# Allegro board 8880F5-0824_updates.brd (continued)
## Routing (per net, layer and track width the routed paths; a pad name or vN(x,y) marks a point on that pad's centre or on a via; arc(x,y) is an arc through that point) (continued)
D12513: length 413.5
  TOP w0.086: SITE1.172 237.68,237.63 237.6,237.71 235.46,237.71 234.38,236.63 225.85,236.63 v1(225.39,236.18)
  L03_SIGNAL w0.071: D125.13 44.61,95.09 44.61,92.75 47.01,90.35 51.92,90.35 56.06,94.5 56.06,112.18 39.76,128.48 39.76,198.4 82.4,241.03 166.18,241.03 168.94,243.78 171.11,243.78 171.9,244.58 176.12,244.58 176.91,243.78 178.03,243.78 v2(178.5,243.31)
  L28_SIGNAL w0.071: v2(178.5,243.31) 178.97,243.78 179.34,243.78 179.86,244.31 179.86,245.46 178.03,247.29 166.73,247.29 164.66,249.36 154.47,249.36 153.74,248.63 153.74,246.18 154.64,245.28 167.42,245.28 168.64,244.06 168.64,240.48 170.26,238.86 212.66,238.86 213.7,237.82 222.67,237.82 223.85,236.65 224.92,236.65 v1(225.39,236.18)
D12514: length 413.5
  TOP w0.086: SITE1.176 237.68,236.03 237.6,236.11 237.48,236.11 237.25,235.88 237.25,234.98 235.19,232.92 225.91,232.92 v1(225.46,232.46)
  L03_SIGNAL w0.071: v2(164.91,243.31) 165.38,243.78 165.88,243.78 166.22,244.13 166.22,245.17 164.96,246.44 82.98,246.44 34.51,197.96 34.51,124.94 47.63,111.82 47.63,100.97 D125.14
  L28_SIGNAL w0.071: v2(164.91,243.31) 165.38,243.78 165.72,243.78 166.34,243.16 166.34,242.1 165.85,241.61 134.1,241.61 132.74,240.26 132.74,237.11 134.34,235.51 210.85,235.51 212.23,236.89 222.31,236.89 222.79,236.41 222.79,234.45 224.31,232.94 224.98,232.94 v1(225.46,232.46)
D12515: length 413.5
  TOP w0.086: SITE1.171 237.68,238.03 237.6,237.95 235.37,237.95 234.29,236.87 225.85,236.87 v1(225.39,237.32)
  L03_SIGNAL w0.071: v2(178.5,244.46) 178.03,243.98 176.99,243.98 176.2,244.77 171.82,244.77 171.03,243.98 168.86,243.98 166.1,241.22 82.31,241.22 39.57,198.48 39.57,128.39 55.86,112.1 55.86,94.58 51.84,90.55 47.09,90.55 44.81,92.83 44.81,94.43 45.43,95.05 46.79,95.05 D125.15
  L28_SIGNAL w0.071: v2(178.5,244.46) 178.97,243.98 179.25,243.98 179.66,244.39 179.66,245.38 177.95,247.09 166.64,247.09 164.57,249.16 154.55,249.16 153.93,248.55 153.93,246.27 154.72,245.48 167.51,245.48 168.84,244.14 168.84,240.56 170.34,239.06 212.74,239.06 213.78,238.02 222.76,238.02 223.93,236.85 224.92,236.85 v1(225.39,237.32)
D12516: length 413.5
  TOP w0.086: SITE1.175 237.68,236.43 237.6,236.35 237.38,236.35 237.01,235.98 237.01,235.08 235.09,233.16 225.91,233.16 v1(225.46,233.61)
  L03_SIGNAL w0.071: D125.16 49.75,100.11 48.78,100.11 47.83,101.07 47.83,111.9 34.71,125.02 34.71,197.88 83.06,246.24 164.87,246.24 166.02,245.09 166.02,244.21 165.8,243.98 165.38,243.98 v2(164.91,244.46)
  L28_SIGNAL w0.071: v1(225.46,233.61) 224.98,233.14 224.39,233.14 222.99,234.53 222.99,236.49 222.4,237.09 212.15,237.09 210.77,235.71 134.42,235.71 132.94,237.19 132.94,240.18 134.18,241.42 165.94,241.42 166.54,242.02 166.54,243.24 165.8,243.98 165.38,243.98 v2(164.91,244.46)
D12609: length 457
  TOP w0.086: SITE1.16 248.23,231.48 248.15,231.4 248.15,223.18 249.68,221.65 249.68,217.05 v1(250.13,216.61)
  L03_SIGNAL w0.071: D126.09 34.96,74.26 34.96,70.54 36.99,68.51 58.22,68.51 72.03,82.33 72.03,190.22 87.2,205.39 87.2,219.77 87.91,220.47 129.39,220.47 130.42,221.5 175.86,221.5 180.1,225.74 180.1,229.52 180.65,230.07 181.2,230.07 v1(181.67,229.6)
  L28_SIGNAL w0.071: v1(250.13,216.61) 249.66,217.08 249.66,218.32 248.27,219.71 243.1,219.71 240.73,217.34 236.09,217.34 235.33,216.58 214.08,216.58 212.34,214.84 175.19,214.84 173.72,216.31 173.72,223.26 175.87,225.41 198.14,225.41 199.65,226.92 199.65,231.94 198.27,233.32 181.31,233.32 180.05,232.05 180.05,230.63 180.6,230.07 181.2,230.07 v1(181.67,229.6)
D12610: length 457
  TOP w0.086: SITE1.14 247.43,231.48 247.35,231.4 247.35,218.99 v1(247.8,218.55)
  L03_SIGNAL w0.071: v1(195.26,229.6) 195.73,230.07 196.45,230.07 196.82,230.44 196.82,232.1 194.9,234.02 85.65,234.02 49.74,198.11 49.74,128.87 61.25,117.36 61.25,94.47 54.12,87.35 39.26,87.35 37.28,85.37 37.28,80.46 D126.10
  L28_SIGNAL w0.071: v1(195.26,229.6) 195.73,230.07 196.1,230.07 196.73,229.44 196.73,228.04 195.17,226.48 166.95,226.48 165.41,224.94 165.41,214.73 167.32,212.82 212.57,212.82 214.68,214.93 235.45,214.93 236.83,216.3 242.46,216.3 243.55,217.39 245.62,217.39 246.01,217.01 246.85,217.01 247.33,217.48 247.33,218.07 v1(247.8,218.55)
D12611: length 457
  TOP w0.086: v1(248.99,216.61) 249.45,217.06 249.45,221.55 247.91,223.08 247.91,231.4 247.83,231.48 SITE1.15
  L03_SIGNAL w0.071: v1(181.67,230.74) 181.2,230.27 180.57,230.27 179.9,229.6 179.9,225.82 175.78,221.7 130.34,221.7 129.31,220.67 87.82,220.67 87.01,219.85 87.01,205.47 71.84,190.3 71.84,82.41 58.13,68.71 37.07,68.71 35.16,70.62 35.16,74.75 35.38,74.97 36.87,74.97 D126.11
  L28_SIGNAL w0.071: v1(248.99,216.61) 249.46,217.08 249.46,218.24 248.19,219.51 243.18,219.51 240.81,217.14 236.17,217.14 235.42,216.38 214.16,216.38 212.43,214.65 175.11,214.65 173.52,216.23 173.52,223.34 175.79,225.61 198.05,225.61 199.45,227.01 199.45,231.86 198.19,233.12 181.4,233.12 180.25,231.97 180.25,230.71 180.69,230.27 181.2,230.27 v1(181.67,230.74)
D12612: length 457
  TOP w0.086: v1(246.65,218.55) 247.11,219 247.11,231.4 247.03,231.48 SITE1.13
  L03_SIGNAL w0.071: D126.12 39.6,79.78 38.35,79.78 37.48,80.65 37.48,85.29 39.34,87.15 54.21,87.15 61.45,94.39 61.45,117.44 49.94,128.95 49.94,198.03 85.73,233.83 194.82,233.83 196.62,232.02 196.62,230.52 196.37,230.27 195.73,230.27 v1(195.26,230.74)
  L28_SIGNAL w0.071: v1(195.26,230.74) 195.73,230.27 196.18,230.27 196.93,229.52 196.93,227.95 195.25,226.28 167.03,226.28 165.61,224.86 165.61,214.81 167.41,213.02 212.49,213.02 214.6,215.13 235.37,215.13 236.74,216.5 242.38,216.5 243.47,217.59 245.71,217.59 246.09,217.2 246.77,217.2 247.13,217.56 247.13,218.07 v1(246.65,218.55)
D12613: length 457
  TOP w0.086: v1(238.42,214.92) 238.42,215.56 243.1,220.24 243.1,221.66 245.75,224.32 245.75,231.4 245.83,231.48 SITE1.10
  L03_SIGNAL w0.071: v2(178.5,229.6) 178.03,230.07 177.02,230.07 176.17,230.92 174.33,230.92 173.48,230.07 169.14,230.07 165.38,226.32 108.02,226.32 105.31,223.61 87.45,223.61 85.18,221.34 85.18,208.76 66.84,190.42 66.84,84.58 52.15,69.88 47.21,69.88 45.23,71.86 45.23,74.15 D126.13
  L28_SIGNAL w0.071: v1(238.42,214.92) 237.75,214.92 236.09,213.25 215.64,213.25 214.09,211.71 159.06,211.71 157.67,210.31 142.65,210.31 138.15,214.82 138.15,225.21 141.59,228.65 179.3,228.65 179.72,229.07 179.72,229.69 179.34,230.07 178.97,230.07 v2(178.5,229.6)
D12614: length 457
  TOP w0.086: v1(245.68,216.6) 245.23,217.05 245.23,222.4 246.55,223.72 246.55,231.4 246.63,231.48 SITE1.12
  L03_SIGNAL w0.071: D126.14 46.76,79.78 46.76,82.89 48.34,84.47 54.19,84.47 64.18,94.46 64.18,119.21 54.81,128.57 54.81,189.94 73.92,209.06 73.92,216.01 87.67,229.76 129.01,229.76 131.47,232.22 165.93,232.22 166.4,231.75 166.4,230.42 166.05,230.07 165.38,230.07 v2(164.91,229.6)
  L28_SIGNAL w0.071: v2(164.91,229.6) 165.38,230.07 165.85,230.07 166.65,230.86 166.65,233 165.81,233.83 135.49,233.83 131.77,230.11 131.77,213.89 136.36,209.3 158.83,209.3 159.65,210.12 214.72,210.12 217.06,212.46 242.86,212.46 245.21,214.8 245.21,216.12 v1(245.68,216.6)
D12615: length 457
  TOP w0.086: SITE1.9 245.43,231.48 245.51,231.4 245.51,224.41 242.86,221.76 242.86,220.34 238.25,215.73 v1(237.61,215.73)
  L03_SIGNAL w0.071: D126.15 47.2,75.14 46.56,75.14 45.43,74.01 45.43,71.94 47.29,70.08 52.06,70.08 66.65,84.66 66.65,190.5 84.98,208.84 84.98,221.42 87.37,223.81 105.23,223.81 107.94,226.51 165.3,226.51 169.05,230.27 173.4,230.27 174.25,231.12 176.25,231.12 177.1,230.27 178.03,230.27 v2(178.5,230.74)
  L28_SIGNAL w0.071: v1(237.61,215.73) 237.61,215.06 236,213.45 215.56,213.45 214.01,211.9 158.98,211.9 157.58,210.51 142.73,210.51 138.35,214.9 138.35,225.13 141.67,228.45 179.38,228.45 179.92,228.99 179.92,229.77 179.42,230.27 178.97,230.27 v2(178.5,230.74)
D12616: length 457
  TOP w0.086: SITE1.11 246.23,231.48 246.31,231.4 246.31,223.82 244.99,222.5 244.99,217.05 v1(244.54,216.6)
  L03_SIGNAL w0.071: v2(164.91,230.74) 165.38,230.27 165.97,230.27 166.2,230.5 166.2,231.67 165.85,232.02 131.55,232.02 129.1,229.56 87.76,229.56 74.12,215.93 74.12,208.98 55.01,189.86 55.01,128.66 64.37,119.29 64.37,94.37 54.27,84.27 48.42,84.27 46.95,82.8 46.95,80.08 47.2,79.83 49.71,79.83 D126.16
  L28_SIGNAL w0.071: v2(164.91,230.74) 165.38,230.27 165.77,230.27 166.45,230.94 166.45,232.91 165.73,233.63 135.57,233.63 131.97,230.03 131.97,213.97 136.44,209.5 158.74,209.5 159.56,210.32 214.64,210.32 216.97,212.65 242.78,212.65 245.01,214.89 245.01,216.12 v1(244.54,216.6)
D12701: length 833.7
  TOP w0.086: SITE1.102 254.23,257.78 254.15,257.86 254.15,262.58 255.64,264.07 255.64,268.51 v1(256.07,268.93)
  L05_SIGNAL w0.071: D127.01 13.8,54.78 15.83,54.78 16.11,54.5 16.11,51.35 15.18,50.42 12.51,50.42 11.77,51.15 11.77,100.43 25.19,113.85 25.19,274.61 58.54,307.95 151.76,307.95 155.76,311.96 282.35,311.96 293.69,300.61 293.69,295.7 298.59,290.79 320.36,290.79 323.45,287.71 323.45,286.54 v2(322.98,286.07)
  L32_SIGNAL w0.071: v1(256.07,268.93) 255.6,269.4 255.6,282.31 260.35,287.07 260.35,293.18 258.86,294.67 245.47,294.67 243.65,296.49 243.65,309.74 224.17,329.22 224.17,334.09 225.37,335.29 230.36,335.29 231.37,334.28 231.37,326.57 233.17,324.77 279.57,324.77 280.27,324.07 280.27,298.31 281.38,297.21 281.38,292.46 280.73,291.82 280.73,285.85 282.84,283.74 286.84,283.74 288.3,285.19 288.3,289.04 294.43,295.17 316.04,295.17 323.45,287.75 323.45,286.54 v2(322.98,286.07)
D12702: length 833.7
  TOP w0.086: v1(267.64,268.93) 267.21,268.5 267.21,267.41 265.32,265.52 265.32,264.13 259.35,258.16 259.35,257.86 259.43,257.78 SITE1.89
  L05_SIGNAL w0.071: v2(309.77,286.07) 310.24,285.6 310.24,284.09 308.91,282.75 304.72,282.75 291.83,295.64 291.83,299.5 284.04,307.29 61.14,307.29 27.08,273.23 27.08,127.48 54.72,99.85 54.72,72.05 53.22,70.55 21.36,70.55 17.77,66.96 17.77,59.92 17.47,59.62 16.44,59.62 D127.02
  L32_SIGNAL w0.071: v1(267.64,268.93) 267.17,269.4 267.17,270.52 266.48,271.21 265.27,271.21 265.02,271.46 265.02,272.44 263.48,273.98 263.48,280.06 264.6,281.18 274.37,281.18 279.21,276.34 279.21,263.23 282.13,260.31 297.85,260.31 298.72,261.18 298.72,262.65 298.16,263.21 281.08,263.21 280.64,263.65 280.64,264.24 280.93,264.54 297.9,264.54 298.2,264.84 298.2,265.25 297.68,265.77 280.79,265.77 280.34,266.21 280.34,266.81 280.78,267.24 298.91,267.24 299.22,267.55 299.22,268 298.92,268.3 281.13,268.3 280.42,269.01 280.42,269.84 280.73,270.15 299.5,270.15 299.83,270.48 299.83,270.94 299.56,271.21 281.19,271.21 280.45,271.95 280.45,273.33 280.79,273.67 298.38,273.67 299.78,275.07 299.78,278.4 308.52,287.14 309.91,287.14 310.24,286.81 310.24,286.54 v2(309.77,286.07)
D12703: length 833.7
  TOP w0.086: SITE1.103 253.83,257.78 253.91,257.86 253.91,262.68 255.4,264.17 255.4,268.46 v1(254.93,268.93)
  L05_SIGNAL w0.071: v2(324.12,286.07) 323.65,286.54 323.65,287.79 320.45,290.99 298.68,290.99 293.89,295.78 293.89,300.7 282.43,312.15 155.67,312.15 151.67,308.15 58.46,308.15 24.99,274.69 24.99,113.93 11.58,100.51 11.58,51.07 12.42,50.22 15.26,50.22 16.31,51.27 16.31,54.41 D127.03
  L32_SIGNAL w0.071: v2(324.12,286.07) 323.65,286.54 323.65,287.84 316.12,295.37 294.35,295.37 288.1,289.12 288.1,285.28 286.76,283.93 282.93,283.93 280.93,285.93 280.93,291.73 281.58,292.38 281.58,297.29 280.47,298.4 280.47,324.15 279.65,324.97 233.25,324.97 231.57,326.65 231.57,334.36 230.44,335.49 225.29,335.49 223.97,334.17 223.97,329.14 243.45,309.65 243.45,296.4 245.39,294.47 258.78,294.47 260.15,293.09 260.15,287.15 255.4,282.4 255.4,269.4 v1(254.93,268.93)
D12704: length 833.7
  TOP w0.086: SITE1.90 259.03,257.78 259.11,257.86 259.11,258.26 265.08,264.23 265.08,265.62 266.97,267.51 266.97,268.46 v1(266.5,268.93)
  L05_SIGNAL w0.071: D127.04 17.97,60.77 17.97,66.88 21.44,70.35 53.3,70.35 54.91,71.97 54.91,99.93 27.28,127.57 27.28,273.15 61.23,307.1 283.96,307.1 291.63,299.42 291.63,295.56 304.64,282.55 304.8,282.55 308.99,282.55 310.44,284.01 310.44,285.6 v2(310.92,286.07)
  L32_SIGNAL w0.071: v1(266.5,268.93) 266.97,269.4 266.97,270.44 266.4,271.02 265.19,271.02 264.82,271.38 264.82,272.35 263.28,273.89 263.28,280.15 264.51,281.38 274.46,281.38 279.41,276.42 279.41,263.31 282.21,260.5 297.77,260.5 298.52,261.26 298.52,262.57 298.07,263.01 280.99,263.01 280.44,263.57 280.44,264.32 280.85,264.73 297.82,264.73 298,264.92 298,265.17 297.6,265.57 280.7,265.57 280.15,266.13 280.15,266.89 280.69,267.44 298.83,267.44 299.02,267.63 299.02,267.92 298.84,268.1 281.05,268.1 280.22,268.93 280.22,269.92 280.65,270.34 299.42,270.34 299.64,270.56 299.64,270.86 299.48,271.02 281.11,271.02 280.25,271.87 280.25,273.41 280.71,273.87 298.3,273.87 299.58,275.15 299.58,278.48 308.43,287.34 309.99,287.34 310.44,286.89 310.44,286.54 v2(310.92,286.07)
D12705: length 833.7
  TOP w0.086: v1(259.93,268.93) 259.46,268.47 259.46,267.3 258.7,266.53 258.7,264.43 255.75,261.48 255.75,257.86 255.83,257.78 SITE1.98
  L05_SIGNAL w0.071: v2(336.44,286.07) 336.91,286.54 336.91,287.8 331.69,293.03 298.98,293.03 295.52,296.49 295.52,301.24 283.67,313.1 155.28,313.1 151.28,309.1 54.13,309.1 22.41,277.38 22.41,113.34 10.63,101.56 10.63,50.13 12.08,48.67 23.49,48.67 26.63,51.8 26.63,53.58 25.5,54.71 24.03,54.71 D127.05
  L32_SIGNAL w0.071: v2(336.44,286.07) 336.91,286.54 336.91,287.65 336.32,288.25 335.5,288.25 334.35,287.1 334.35,283.77 333.3,282.72 322.26,282.72 318,286.98 318,289.26 314.75,292.51 299.25,292.51 295.72,288.98 295.72,280.07 293.81,278.16 284.43,278.16 278.11,284.48 278.11,290.47 274.77,293.81 274.77,300.53 276.49,302.25 276.49,315.71 274.68,317.52 244.53,317.52 242.95,315.95 242.95,314.1 247.27,309.78 247.27,300.6 249.73,298.15 260.22,298.15 264.85,293.51 264.85,287.11 258.35,280.61 258.35,271.18 259.45,270.08 259.45,269.4 v1(259.93,268.93)
D12706: length 833.7
  TOP w0.086: v1(279.29,255.88) 278.81,256.36 269.82,256.36 265.58,252.11 264.06,252.11 263.98,252.03 SITE1.85
  L05_SIGNAL w0.071: D127.06 27.35,60.37 27.35,66.72 29.68,69.05 53.84,69.05 56.48,71.69 56.48,100.9 30.81,126.57 30.81,272.67 63.93,305.79 69.07,305.79 283.39,305.79 288.2,300.98 288.2,285.67 290.42,283.46 295.95,283.46 297.04,284.55 297.04,285.6 v2(296.56,286.07)
  L30_SIGNAL w0.071: v2(296.56,286.07) 297.03,286.54 297.03,287.78 298.79,289.54 298.79,305.84 290.13,314.51 290.13,345.62 289.18,346.57 287.75,346.57 286.79,345.61 286.79,330.14 286.25,329.59 285.04,329.59 284.51,330.12 284.51,360.13 287.55,363.17 299.39,363.17 302.33,360.22 302.33,306.97 304.98,304.32 304.98,288.22 303.82,287.06 303.82,263.81 298.24,258.22 288.45,258.22 286.58,256.35 279.76,256.35 v1(279.29,255.88)
D12707: length 833.7
  TOP w0.086: v1(258.78,268.93) 259.23,268.49 259.23,267.39 258.46,266.63 258.46,264.53 255.51,261.58 255.51,257.86 255.43,257.78 SITE1.99
  L05_SIGNAL w0.071: D127.07 26.82,54.76 26.82,51.72 23.58,48.47 12,48.47 10.43,50.04 10.43,101.64 22.21,113.42 22.21,277.46 54.05,309.3 151.2,309.3 155.2,313.3 283.75,313.3 295.72,301.33 295.72,296.57 299.06,293.23 331.77,293.23 337.11,287.88 337.11,286.54 v2(337.59,286.07)
  L32_SIGNAL w0.071: v1(258.78,268.93) 259.26,269.4 259.26,270 258.15,271.1 258.15,280.69 264.66,287.2 264.66,293.43 260.13,297.95 249.64,297.95 247.07,300.52 247.07,309.7 242.76,314.02 242.76,316.03 244.45,317.72 274.76,317.72 276.69,315.79 276.69,302.17 274.96,300.45 274.96,293.89 278.31,290.55 278.31,284.56 284.51,278.35 293.72,278.35 295.52,280.15 295.52,289.06 299.17,292.71 314.83,292.71 318.2,289.35 318.2,287.07 322.34,282.92 333.22,282.92 334.15,283.85 334.15,287.19 335.41,288.45 336.4,288.45 337.11,287.74 337.11,286.54 v2(337.59,286.07)
D12708: length 833.7
  TOP w0.086: SITE1.86 263.98,252.43 264.06,252.35 265.48,252.35 269.73,256.6 278.87,256.6 v1(279.29,257.02)
  L05_SIGNAL w0.071: D127.08 29.2,59.7 28.19,59.7 27.55,60.34 27.55,66.64 29.76,68.85 53.92,68.85 56.68,71.61 56.68,100.98 31.01,126.65 31.01,272.59 64.01,305.59 283.31,305.59 288,300.9 288,285.59 290.34,283.26 296.03,283.26 297.23,284.46 297.23,285.6 v2(297.71,286.07)
  L30_SIGNAL w0.071: v1(279.29,257.02) 279.76,256.55 286.5,256.55 288.37,258.42 298.15,258.42 303.63,263.89 303.63,287.14 304.78,288.3 304.78,304.24 302.14,306.88 302.14,360.14 299.3,362.97 287.63,362.97 284.71,360.05 284.71,330.2 285.12,329.79 286.17,329.79 286.6,330.22 286.6,345.69 287.67,346.76 289.26,346.76 290.32,345.7 290.32,314.59 298.99,305.92 298.99,289.46 297.23,287.7 297.23,286.54 v2(297.71,286.07)
D12709: length 833.7
  TOP w0.086: SITE1.83 263.98,251.23 264.06,251.31 266.53,251.31 269.61,254.39 275.8,254.39 v1(276.24,253.95)
  L07_SIGNAL w0.071: D127.09 34.93,53.97 35.06,53.97 35.78,53.29 35.78,50.79 33.64,48.66 11.14,48.66 9.32,50.48 9.32,101.99 20.58,113.25 20.58,280.48 50.51,310.41 156.12,310.41 160.12,314.41 285.2,314.41 297.04,302.57 297.04,300.13 v2(296.56,299.66)
  L30_SIGNAL w0.071: v1(276.24,253.95) 276.72,254.42 297.41,254.42 305.94,262.95 305.94,286.45 307.13,287.65 307.13,304.45 303.54,308.04 303.54,361.82 300.07,365.29 287.18,365.29 282.59,360.7 282.59,315.98 283.05,315.52 283.96,315.52 284.53,316.09 284.53,327.18 284.87,327.51 285.49,327.51 285.8,327.21 285.8,312.77 297.04,301.53 297.04,300.13 v2(296.56,299.66)
D12710: length 833.7
  TOP w0.086: SITE1.120 247.03,257.78 246.95,257.86 246.95,262.28 246.61,262.62 246.61,270.41 v1(247.07,270.87)
  L07_SIGNAL w0.071: v2(287.38,282.89) 286.91,283.36 286.91,300.08 282.84,304.14 67.5,304.14 32.39,269.03 32.39,128.04 57.96,102.46 57.96,70.38 54.66,67.08 40.04,67.08 38,65.04 38,60.86 D127.10
  L30_SIGNAL w0.071: v1(247.07,270.87) 246.6,271.34 246.6,275.14 253.78,282.32 253.78,289.37 258.71,294.31 258.71,303.46 243.22,318.95 201.83,318.95 196.94,323.84 196.94,348.35 200.21,351.62 274.86,351.62 278.22,348.26 278.22,292.4 280.31,290.31 280.31,283.31 282.47,281.15 286.26,281.15 286.91,281.8 286.91,282.42 v2(287.38,282.89)
D12711: length 833.7
  TOP w0.086: v1(276.24,255.09) 275.78,254.63 269.51,254.63 266.43,251.55 264.06,251.55 263.98,251.63 SITE1.84
  L07_SIGNAL w0.071: D127.11 35.97,53.75 35.97,50.71 33.72,48.46 11.06,48.46 9.12,50.4 9.12,102.07 20.38,113.33 20.38,280.56 50.43,310.61 156.04,310.61 160.04,314.61 285.28,314.61 297.24,302.65 297.24,300.13 v2(297.71,299.66)
  L30_SIGNAL w0.071: v2(297.71,299.66) 297.23,300.13 297.23,301.62 285.99,312.86 285.99,327.29 285.57,327.71 284.79,327.71 284.34,327.26 284.34,316.17 283.88,315.71 283.13,315.71 282.78,316.07 282.78,360.61 287.26,365.09 299.99,365.09 303.34,361.74 303.34,307.96 306.93,304.37 306.93,287.73 305.74,286.54 305.74,263.03 297.33,254.62 276.72,254.62 v1(276.24,255.09)
D12712: length 833.7
  TOP w0.086: v1(245.93,270.87) 246.38,270.42 246.38,262.52 246.71,262.19 246.71,257.86 246.63,257.78 SITE1.121
  L07_SIGNAL w0.071: D127.12 39.52,59.54 38.41,59.54 38.2,59.74 38.2,64.96 40.13,66.88 54.74,66.88 58.16,70.3 58.16,102.55 32.58,128.12 32.58,268.95 67.58,303.94 282.76,303.94 286.71,299.99 286.71,283.36 v2(286.24,282.89)
  L30_SIGNAL w0.071: v2(286.24,282.89) 286.71,282.42 286.71,281.88 286.18,281.35 282.55,281.35 280.5,283.39 280.5,290.39 278.42,292.48 278.42,348.34 274.95,351.82 200.13,351.82 196.74,348.43 196.74,323.76 201.75,318.75 243.14,318.75 258.52,303.38 258.52,294.39 253.58,289.46 253.58,282.41 246.4,275.23 246.4,271.34 v1(245.93,270.87)
D12713: length 833.7
  TOP w0.086: SITE1.87 263.98,252.83 264.06,252.91 264.57,252.91 269.88,258.23 275.83,258.23 v1(276.24,257.81)
  L07_SIGNAL w0.071: v2(309.77,299.66) 310.24,300.13 310.24,310.28 299.06,321.46 56.18,321.46 17.58,282.86 17.58,112.19 8.37,102.98 8.37,50.04 10.7,47.71 43,47.71 46.45,51.16 46.45,54.31 46.1,54.66 44.4,54.66 D127.13
  L30_SIGNAL w0.071: v2(309.77,299.66) 310.23,300.11 310.23,304.23 304.96,309.5 304.96,362.38 300.24,367.1 286.45,367.1 281.64,362.3 281.64,314.83 290.07,306.41 290.07,266.5 281.85,258.28 276.72,258.28 v1(276.24,257.81)
D12714: length 833.7
  TOP w0.086: SITE1.131 242.63,257.78 242.55,257.86 242.55,258.66 236.97,264.24 236.97,268.69 v1(237.43,269.15)
  L05_SIGNAL w0.071: v2(283.1,299.66) 283.57,299.18 283.57,298.6 282.78,297.8 278.73,297.8 273.72,302.82 70.73,302.82 35.29,267.38 35.29,127.64 59.46,103.48 59.46,71.46 55,67.01 49.83,67.01 48.35,65.53 48.35,60.22 48.07,59.94 47.24,59.94 D127.14
  L32_SIGNAL w0.071: v2(283.1,299.66) 283.57,300.13 283.57,374.91 280.51,377.97 253.03,377.97 252.21,378.79 252.21,380.57 253.28,381.63 277.14,381.63 277.86,382.36 277.86,383.53 277.21,384.19 220.63,384.19 213.3,376.86 213.3,321.94 236.95,298.29 236.95,269.62 v1(237.43,269.15)
D12715: length 833.7
  TOP w0.086: v1(276.24,258.95) 275.76,258.47 269.78,258.47 264.47,253.15 264.06,253.15 263.98,253.23 SITE1.88
  L07_SIGNAL w0.071: D127.15 46.65,54.27 46.65,51.07 43.08,47.51 10.62,47.51 8.17,49.96 8.17,103.06 17.38,112.27 17.38,282.95 56.09,321.66 299.14,321.66 310.44,310.36 310.44,300.13 v2(310.92,299.66)
  L30_SIGNAL w0.071: v1(276.24,258.95) 276.72,258.48 281.76,258.48 289.87,266.58 289.87,306.33 281.45,314.75 281.45,362.38 286.37,367.3 300.32,367.3 305.16,362.46 305.16,309.58 310.43,304.31 310.43,300.14 v2(310.92,299.66)
D12716: length 833.7
  TOP w0.086: v1(236.28,269.15) 236.73,268.71 236.73,264.14 242.31,258.56 242.31,257.86 242.23,257.78 SITE1.132
  L05_SIGNAL w0.071: v2(284.25,299.66) 283.77,299.18 283.77,298.51 282.87,297.61 278.65,297.61 273.64,302.62 70.82,302.62 35.49,267.29 35.49,127.72 59.65,103.56 59.65,71.38 55.09,66.81 49.91,66.81 48.55,65.44 48.55,60.67 D127.16
  L32_SIGNAL w0.071: v1(236.28,269.15) 236.75,269.62 236.75,298.21 213.1,321.86 213.1,376.94 220.54,384.39 277.29,384.39 278.06,383.61 278.06,382.28 277.22,381.44 253.36,381.44 252.41,380.49 252.41,378.87 253.11,378.17 280.59,378.17 283.77,374.99 283.77,300.13 v2(284.25,299.66)
D12801: length 833.7
  TOP w0.086: SITE1.100 255.03,257.78 254.95,257.86 254.95,262.07 257.55,264.67 257.55,266.76 v1(258,267.21)
  L05_SIGNAL w0.071: D128.01 13.71,34.55 14.81,34.55 15.15,34.2 15.15,32.68 13.52,31.04 8.72,31.04 7.17,32.59 7.17,103.87 15.66,112.35 15.66,275.63 62.74,322.7 305.57,322.7 323.45,304.83 323.45,300.13 v2(322.98,299.66)
  L32_SIGNAL w0.071: v2(322.98,299.66) 323.45,300.13 323.45,301.97 324.14,302.66 324.77,302.66 325.35,302.07 325.35,284.68 324.63,283.95 322.48,283.95 321.18,285.25 321.18,287.69 315.28,293.59 298.63,293.59 293.95,288.91 293.95,287.58 288.1,281.73 282.9,281.73 279.89,284.74 279.89,290.37 278,292.26 278,316.45 273.85,320.61 244.75,320.61 240.71,316.56 240.71,314.54 245.9,309.35 245.9,298.53 248.63,295.8 259.9,295.8 261.67,294.02 261.67,286.09 256.71,281.13 256.71,275.17 257.53,274.36 257.53,267.69 v1(258,267.21)
D12802: length 833.7
  TOP w0.086: SITE1.124 245.43,257.78 245.35,257.86 245.35,260.75 242.73,263.37 242.73,270.45 v1(243.16,270.88)
  L05_SIGNAL w0.071: v2(238.87,299.4) 238.4,299.87 238.4,300.61 237.68,301.33 74.49,301.33 37.42,264.25 37.42,127.77 60.8,104.39 60.8,57.48 49.97,46.64 19.52,46.64 17.52,44.64 17.52,40.38 D128.02
  L30_SIGNAL w0.071: v1(243.16,270.88) 242.69,271.35 242.69,272.65 240.2,275.14 228.79,275.14 228.11,275.81 228.11,287.47 224.17,291.41 217.09,291.41 208.65,282.97 208.65,276.3 203.64,271.29 134.07,271.29 126.51,278.84 114.28,278.84 113.25,279.87 113.25,306.16 117,309.91 154.01,309.91 156.82,312.71 227.49,312.71 234.93,305.28 234.93,299.25 236.42,297.76 237.64,297.76 238.4,298.52 238.4,298.94 v2(238.87,299.4)
D12803: length 833.7
  TOP w0.086: SITE1.101 254.63,257.78 254.71,257.86 254.71,262.17 257.31,264.77 257.31,266.76 v1(256.85,267.21)
  L05_SIGNAL w0.071: v2(324.12,299.66) 323.65,300.13 323.65,304.91 305.66,322.9 62.66,322.9 15.46,275.71 15.46,112.44 6.97,103.95 6.97,32.51 8.64,30.85 13.6,30.85 15.35,32.6 15.35,33.13 D128.03
  L32_SIGNAL w0.071: v1(256.85,267.21) 257.33,267.69 257.33,274.27 256.52,275.08 256.52,281.21 261.48,286.17 261.48,293.94 259.82,295.6 248.55,295.6 245.7,298.45 245.7,309.27 240.51,314.46 240.51,316.65 244.67,320.8 273.93,320.8 278.2,316.53 278.2,292.34 280.09,290.45 280.09,284.82 282.98,281.93 288.02,281.93 293.75,287.66 293.75,288.99 298.55,293.79 315.36,293.79 321.38,287.77 321.38,285.33 322.57,284.15 324.55,284.15 325.15,284.76 325.15,301.99 324.68,302.46 324.22,302.46 323.65,301.89 323.65,300.13 v2(324.12,299.66)
D12804: length 833.7
  TOP w0.086: SITE1.125 245.03,257.78 245.11,257.86 245.11,260.65 242.49,263.28 242.49,270.41 v1(242.02,270.88)
  L05_SIGNAL w0.071: v2(237.72,299.4) 238.2,299.87 238.2,300.52 237.59,301.13 74.58,301.13 37.62,264.17 37.62,127.86 61,104.48 61,57.4 50.05,46.45 19.61,46.45 17.72,44.56 17.72,39.84 18.25,39.31 19.11,39.31 D128.04
  L30_SIGNAL w0.071: v2(237.72,299.4) 238.21,298.92 238.21,298.6 237.56,297.96 236.5,297.96 235.13,299.33 235.13,305.36 227.58,312.91 156.74,312.91 153.93,310.1 116.92,310.1 113.06,306.24 113.06,279.78 114.2,278.64 126.43,278.64 133.98,271.09 203.72,271.09 208.85,276.22 208.85,282.89 217.17,291.21 224.09,291.21 227.91,287.39 227.91,275.73 228.7,274.94 240.12,274.94 242.49,272.56 242.49,271.35 v1(242.02,270.88)
D12805: length 833.7
  TOP w0.086: v1(261.86,267.21) 261.41,266.77 261.41,263.74 256.95,259.28 256.95,257.86 257.03,257.78 SITE1.95
  L05_SIGNAL w0.071: v2(336.44,299.66) 336.91,300.13 336.91,305.55 318.55,323.91 58.45,323.91 13.85,279.31 13.85,112.82 5.98,104.95 5.98,32.03 8.07,29.93 23.01,29.93 25.41,32.33 25.41,33.99 24.68,34.71 23.71,34.71 D128.05
  L32_SIGNAL w0.071: v2(336.44,299.66) 336.91,300.13 336.91,301.49 337.73,302.3 339.51,302.3 340.57,301.24 340.57,286.3 335.28,281.01 322.33,281.01 312,291.33 299.75,291.33 298.72,290.3 298.72,281.79 294.27,277.34 283.02,277.34 271.59,288.77 271.59,305.51 270.58,306.52 261.31,306.52 259.59,304.81 259.59,300.76 261.23,299.12 264.64,299.12 266.61,297.15 266.61,287.23 259.55,280.17 259.55,271.94 261.38,270.11 261.38,267.69 v1(261.86,267.21)
D12806: length 833.7
  TOP w0.086: v1(241.28,269.15) 240.83,268.7 240.83,263.34 244.55,259.62 244.55,257.86 244.63,257.78 SITE1.126
  L07_SIGNAL w0.071: D128.06 26.68,39.38 27.1,39.38 28.34,40.61 28.34,43.04 30.67,45.37 51.35,45.37 62.09,56.11 62.09,106.99 40,129.09 40,261.47 64.27,285.74 125.8,285.74 136.51,296.46 202.5,296.46 205.38,293.58 252.48,293.58 256.9,298 256.9,299.18 v2(256.43,299.66)
  L30_SIGNAL w0.071: v1(241.28,269.15) 240.81,269.62 240.81,272.33 239.34,273.81 232.4,273.81 228.29,269.7 120.27,269.7 111.21,278.75 111.21,305.93 117.51,312.24 152.22,312.24 154.52,314.53 243.25,314.53 256.9,300.88 256.9,300.12 v2(256.43,299.66)
D12807: length 833.7
  TOP w0.086: v1(260.71,267.21) 261.17,266.75 261.17,263.84 256.71,259.38 256.71,257.86 256.63,257.78 SITE1.96
  L05_SIGNAL w0.071: v2(337.59,299.66) 337.11,300.13 337.11,305.63 318.63,324.11 58.36,324.11 13.65,279.4 13.65,112.9 5.78,105.03 5.78,31.95 7.99,29.74 23.09,29.74 25.6,32.25 25.6,33.22 D128.07
  L32_SIGNAL w0.071: v1(260.71,267.21) 261.19,267.69 261.19,270.02 259.35,271.86 259.35,280.25 266.41,287.31 266.41,297.06 264.56,298.92 261.15,298.92 259.4,300.68 259.4,304.89 261.23,306.72 270.66,306.72 271.79,305.59 271.79,288.85 283.11,277.54 294.19,277.54 298.52,281.87 298.52,290.38 299.67,291.53 312.09,291.53 322.41,281.21 335.19,281.21 340.37,286.39 340.37,301.16 339.43,302.11 337.81,302.11 337.11,301.41 337.11,300.13 v2(337.59,299.66)
D12808: length 833.7
  TOP w0.086: SITE1.127 244.23,257.78 244.31,257.86 244.31,259.52 240.59,263.24 240.59,268.7 v1(240.14,269.15)
  L07_SIGNAL w0.071: v2(257.58,299.66) 257.1,299.18 257.1,297.92 252.57,293.38 205.29,293.38 202.41,296.26 136.59,296.26 125.88,285.55 64.36,285.55 40.2,261.39 40.2,129.17 62.29,107.08 62.29,56.03 51.43,45.17 30.75,45.17 28.53,42.95 28.53,40.05 D128.08
  L30_SIGNAL w0.071: v1(240.14,269.15) 240.61,269.62 240.61,272.25 239.25,273.61 232.48,273.61 228.37,269.5 120.18,269.5 111.01,278.67 111.01,306.01 117.43,312.44 152.14,312.44 154.44,314.73 243.33,314.73 257.1,300.96 257.1,300.13 v2(257.58,299.66)
D12809: length 833.7
  TOP w0.086: v1(265.72,267.21) 265.28,266.78 265.28,266.31 264.35,265.37 264.35,264.04 258.55,258.23 258.55,257.86 258.63,257.78 SITE1.91
  L05_SIGNAL w0.071: D128.09 33.98,34.6 35.21,34.6 35.4,34.41 35.4,32.05 31.98,28.62 6.98,28.62 4.55,31.06 4.55,105.77 11.95,113.18 11.95,281.66 55.33,325.04 327.75,325.04 350.38,302.41 350.38,300.13 v2(349.9,299.66)
  L32_SIGNAL w0.071: v2(349.9,299.66) 350.38,300.13 350.38,308.57 351.3,309.49 353.53,309.49 353.72,309.31 353.72,287.62 345.28,279.19 319.46,279.19 310.52,288.12 305.66,288.12 303.08,285.55 303.08,283.29 294.71,274.92 282.24,274.92 275.04,282.12 264.22,282.12 261.67,279.57 261.67,273.67 265.24,270.1 265.24,267.69 v1(265.72,267.21)
D12810: length 833.7
  TOP w0.086: SITE1.133 237.68,253.23 237.6,253.15 236.94,253.15 231.22,258.87 224.75,258.87 v1(224.31,259.31)
  L05_SIGNAL w0.071: D128.10 37.72,40.26 37.72,42.71 40.4,45.39 53.39,45.39 63.77,55.77 63.77,108.64 42.5,129.9 42.5,259.06 63.24,279.79 63.25,279.79 68.52,285.06 126.47,285.06 132.44,291.03 269.47,291.03 277.1,283.4 282.4,283.4 283.57,284.57 283.57,285.6 v2(283.1,286.07)
  L32_SIGNAL w0.071: v2(283.1,286.07) 283.57,285.6 283.57,285.32 284.2,284.7 285.46,284.7 287.09,286.32 287.09,377.29 278.37,386 220.12,386 211.46,377.34 211.46,317.39 228.6,300.25 228.6,280.89 225.73,278.01 225.73,259.22 225.35,258.84 224.78,258.84 v1(224.31,259.31)
D12811: length 833.7
  TOP w0.086: SITE1.92 258.23,257.78 258.31,257.86 258.31,258.33 264.11,264.13 264.11,265.47 265.04,266.4 265.04,266.74 v1(264.57,267.21)
  L05_SIGNAL w0.071: D128.11 35.6,33.06 35.6,31.96 32.06,28.42 6.9,28.42 4.35,30.97 4.35,105.85 11.76,113.26 11.76,281.74 55.25,325.23 327.84,325.23 350.58,302.5 350.58,300.13 v2(351.05,299.66)
  L32_SIGNAL w0.071: v1(264.57,267.21) 265.04,267.69 265.04,270.02 261.47,273.59 261.47,279.65 264.13,282.32 275.13,282.32 282.32,275.12 294.63,275.12 302.88,283.37 302.88,285.63 305.57,288.32 310.61,288.32 319.55,279.38 345.2,279.38 353.52,287.7 353.52,309.22 353.45,309.3 351.39,309.3 350.57,308.48 350.57,300.13 v2(351.05,299.66)
D12812: length 833.7
  TOP w0.086: SITE1.134 237.68,252.83 237.6,252.91 236.84,252.91 231.12,258.63 224.77,258.63 v1(224.31,258.17)
  L05_SIGNAL w0.071: v2(284.25,286.07) 283.77,285.6 283.77,284.49 282.49,283.2 277.02,283.2 269.39,290.83 132.52,290.83 126.55,284.86 68.6,284.86 63.33,279.6 63.32,279.6 42.7,258.98 42.7,129.98 63.96,108.72 63.96,55.69 53.47,45.19 40.49,45.19 37.92,42.62 37.92,39.53 38.26,39.19 39.55,39.19 D128.12
  L32_SIGNAL w0.071: v2(284.25,286.07) 283.77,285.6 283.77,285.6 283.77,285.4 284.28,284.9 285.38,284.9 286.89,286.4 286.89,377.2 278.29,385.8 220.21,385.8 211.66,377.26 211.66,317.47 228.8,300.33 228.8,280.81 225.93,277.93 225.93,259.13 225.43,258.64 224.78,258.64 v1(224.31,258.17)
D12813: length 833.7
  TOP w0.086: v1(263.79,268.93) 263.34,268.49 263.34,264.27 257.75,258.68 257.75,257.86 257.83,257.78 SITE1.93
  L05_SIGNAL w0.071: D128.13 44.43,34.31 46.25,34.31 46.72,33.84 46.72,33.07 41.07,27.42 6.6,27.42 3.03,30.99 3.03,106.6 10.03,113.6 10.03,282.11 53.93,326.01 329.75,326.01 351.88,303.88 351.88,289.4 350.38,287.9 350.38,286.54 v2(349.9,286.07)
  L32_SIGNAL w0.071: v1(263.79,268.93) 263.31,269.4 263.31,270.42 260.52,273.21 260.52,279.63 263.89,283 275.74,283 282.21,276.54 294.64,276.54 300.96,282.86 300.96,288.09 303.07,290.2 309.96,290.2 317.38,282.79 318.6,282.79 321.21,280.17 337.02,280.17 344.9,288.05 349.82,288.05 350.38,287.5 350.38,286.54 v2(349.9,286.07)
D12814: length 833.7
  TOP w0.086: SITE1.122 246.23,257.78 246.15,257.86 246.15,261.71 244.69,263.17 244.69,268.7 v1(245.14,269.15)
  L05_SIGNAL w0.071: D128.14 47.65,40.03 47.65,43.05 48.57,43.97 56.29,43.97 65.21,52.89 65.21,111.24 45.69,130.76 45.69,229.64 85.01,268.96 223.55,268.96 225.56,270.97 225.56,277.78 235.31,287.53 237.92,287.53 238.4,287.05 238.4,286.29 v2(238.87,285.81)
  L30_SIGNAL w0.071: v1(245.14,269.15) 244.67,269.62 244.67,273.1 239.43,278.34 230.51,278.34 229.78,279.07 229.78,287.92 224.96,292.74 215.6,292.74 203.64,280.77 160.17,280.77 153.76,274.36 135.35,274.36 129.7,280.01 116.12,280.01 115.14,280.99 115.14,305.07 117.76,307.7 141.67,307.7 142.2,307.17 142.2,305.37 141.75,304.92 121.78,304.92 120.5,303.65 120.5,301.91 121.28,301.12 156.48,301.12 165.93,310.57 226.13,310.57 233.95,302.76 233.95,282.82 235.24,281.53 237.1,281.53 238.4,282.82 238.4,285.34 v2(238.87,285.81)
D12815: length 833.7
  TOP w0.086: v1(262.64,268.93) 263.1,268.47 263.1,264.37 257.51,258.78 257.51,257.86 257.43,257.78 SITE1.94
  L05_SIGNAL w0.071: v2(351.05,286.07) 350.58,286.54 350.58,287.82 352.07,289.32 352.07,303.96 329.84,326.2 53.84,326.2 9.84,282.2 9.84,113.68 2.84,106.68 2.84,30.91 6.52,27.22 41.15,27.22 46.91,32.99 46.91,34.21 D128.15
  L32_SIGNAL w0.071: v2(351.05,286.07) 350.57,286.54 350.57,287.58 349.9,288.25 344.81,288.25 336.94,280.37 321.29,280.37 318.68,282.98 317.46,282.98 310.05,290.4 302.99,290.4 300.76,288.17 300.76,282.94 294.56,276.74 282.29,276.74 275.82,283.2 263.8,283.2 260.32,279.72 260.32,273.13 263.12,270.33 263.12,269.4 v1(262.64,268.93)
D12816: length 833.7
  TOP w0.086: SITE1.123 245.83,257.78 245.91,257.86 245.91,261.61 244.46,263.07 244.46,268.69 v1(244,269.15)
  L05_SIGNAL w0.071: v2(237.72,285.81) 238.2,286.29 238.2,286.97 237.84,287.33 235.39,287.33 225.76,277.7 225.76,270.89 223.64,268.76 85.09,268.76 45.89,229.56 45.89,130.84 65.41,111.32 65.41,52.81 56.37,43.77 48.65,43.77 47.85,42.97 47.85,40.66 48.52,39.99 48.91,39.99 D128.16
  L30_SIGNAL w0.071: v2(237.72,285.81) 238.2,285.34 238.2,282.91 237.02,281.72 235.33,281.72 234.15,282.9 234.15,302.84 226.22,310.77 165.85,310.77 156.4,301.32 121.37,301.32 120.7,301.99 120.7,303.57 121.86,304.73 141.84,304.73 142.4,305.29 142.4,307.25 141.76,307.89 117.68,307.89 114.94,305.16 114.94,280.91 116.04,279.81 129.61,279.81 135.27,274.16 153.84,274.16 160.25,280.57 203.72,280.57 215.69,292.54 224.88,292.54 229.59,287.83 229.59,278.99 230.43,278.14 239.35,278.14 244.47,273.02 244.47,269.62 v1(244,269.15)
D12901: length 413.5
  TOP w0.086: SITE3.175 237.68,176.43 237.6,176.35 237.38,176.35 237.01,175.98 237.01,175.08 235.09,173.16 225.91,173.16 v1(225.46,173.61)
  L03_SIGNAL w0.071: D129.01 87.74,95.14 89.35,95.14 89.62,94.86 89.62,92.63 87.22,90.23 84.49,90.23 81.33,93.39 81.33,170.42 91.53,180.62 197.15,180.62 200.7,177.07 200.7,176.28 200.08,175.66 199.16,175.66 v1(198.69,176.13)
  L28_SIGNAL w0.071: v1(225.46,173.61) 224.98,173.14 223.77,173.14 222.72,172.09 222.72,170.28 221.85,169.41 213.14,169.41 211.67,170.87 132.82,170.87 131.95,171.74 131.95,173.23 132.6,173.89 171.54,173.89 173.92,171.51 199.95,171.51 201.76,173.32 201.76,174.27 200.38,175.66 199.16,175.66 v1(198.69,176.13)
D12902: length 413.5
  TOP w0.086: v1(228.38,178.12) 228.77,178.5 237.61,178.5 237.68,178.43 SITE3.170
  L03_SIGNAL w0.071: D129.02 90.85,101.01 90.85,107.73 87.16,111.42 87.16,164.33 95.9,173.07 161.65,173.07 162.48,172.24 196.26,172.24 199.91,168.58 199.91,162.47 199.44,162 199.16,162 v1(198.69,161.52)
  L28_SIGNAL w0.071: v1(228.38,178.12) 227.91,178.59 223.46,178.59 219.9,182.14 219.9,194.54 213.2,201.24 167.34,201.24 166.02,199.92 166.02,182.12 166.98,181.16 193.04,181.16 196.52,177.68 203.45,177.68 208.42,172.71 213,172.71 217.51,177.23 222.18,177.23 224.39,175.01 225.62,175.01 226.3,174.33 226.3,173.39 227.61,172.08 229.38,172.08 229.82,171.64 229.82,170.06 227.88,168.12 225.71,168.12 216.51,158.92 203.24,158.92 200.16,162 199.16,162 v1(198.69,161.52)
D12903: length 413.5
  TOP w0.086: v1(225.46,172.46) 225.91,172.92 235.19,172.92 237.25,174.98 237.25,175.88 237.48,176.11 237.6,176.11 237.68,176.03 SITE3.176
  L03_SIGNAL w0.071: v1(198.69,174.99) 199.16,175.46 200.16,175.46 200.9,176.2 200.9,177.15 197.23,180.82 91.45,180.82 81.13,170.5 81.13,93.3 84.4,90.03 87.3,90.03 89.82,92.55 89.82,94.9 D129.03
  L28_SIGNAL w0.071: v1(198.69,174.99) 199.16,175.46 200.29,175.46 201.56,174.19 201.56,173.4 199.86,171.7 174,171.7 171.62,174.09 132.52,174.09 131.75,173.32 131.75,171.66 132.73,170.67 211.59,170.67 213.05,169.21 221.93,169.21 222.92,170.2 222.92,172.01 223.85,172.94 224.98,172.94 v1(225.46,172.46)
D12904: length 413.5
  TOP w0.086: v1(228.38,179.26) 228.9,178.74 237.59,178.74 237.68,178.83 SITE3.169
  L03_SIGNAL w0.071: v1(198.69,162.67) 199.16,162.2 199.35,162.2 199.71,162.55 199.71,168.5 196.18,172.04 162.4,172.04 161.57,172.87 95.99,172.87 87.36,164.24 87.36,111.5 91.05,107.81 91.05,101.09 91.4,100.73 92.31,100.73 D129.04
  L28_SIGNAL w0.071: v1(228.38,179.26) 227.91,178.79 227.49,178.79 223.54,178.79 220.1,182.23 220.1,194.62 213.28,201.44 167.26,201.44 165.82,200.01 165.82,182.04 166.9,180.96 192.96,180.96 196.43,177.49 203.37,177.49 208.34,172.52 213.08,172.52 217.59,177.03 222.1,177.03 224.31,174.82 225.54,174.82 226.1,174.25 226.1,173.3 227.52,171.88 229.3,171.88 229.62,171.56 229.62,170.14 227.8,168.32 225.63,168.32 216.43,159.12 203.32,159.12 200.24,162.2 199.16,162.2 v1(198.69,162.67)
D12905: length 413.5
  TOP w0.086: v1(225.39,176.18) 225.85,176.63 234.38,176.63 235.46,177.71 237.6,177.71 237.68,177.63 SITE3.172
  L03_SIGNAL w0.071: D129.05 97.97,95.07 99.02,95.07 99.39,94.69 99.39,91.42 95.17,87.19 81.25,87.19 76.66,91.78 76.66,170.25 91.02,184.61 106.98,184.61 108.95,182.64 165.41,182.64 166.88,184.11 201.95,184.11 210.61,175.46 211.81,175.46 v1(212.28,174.99)
  L28_SIGNAL w0.071: v1(212.28,174.99) 212.75,175.46 214.26,175.46 215.24,176.44 215.24,179.8 210.61,184.42 171.25,184.42 169.67,186 169.67,197.55 171.09,198.97 211.11,198.97 215.39,194.69 215.39,182.58 216.8,181.17 218.66,181.17 219.7,180.12 219.7,178.63 220.56,177.77 222.52,177.77 223.64,176.65 224.92,176.65 v1(225.39,176.18)
D12906: length 413.5
  TOP w0.086: SITE3.174 237.68,176.83 237.6,176.91 236.1,176.91 234.04,174.85 228.85,174.85 v1(228.4,174.39)
  L03_SIGNAL w0.071: v1(181.67,161.52) 182.15,162 182.72,162 183.11,162.39 183.11,164.34 182.31,165.14 112.74,165.14 100.99,153.39 100.99,100.99 D129.06
  L28_SIGNAL w0.071: v1(181.67,161.52) 182.15,162 183.29,162 185.6,164.3 185.6,165.07 185,165.66 118.89,165.66 118.01,166.54 118.01,205.13 119.16,206.28 222.41,206.28 225.8,202.89 225.8,191.4 228,189.2 228,181.65 229.36,180.29 229.36,177.55 228.92,177.12 227.34,177.12 226.81,176.59 226.81,175.35 227.29,174.87 227.93,174.87 v1(228.4,174.39)
D12907: length 413.5
  TOP w0.086: v1(225.39,177.32) 225.85,176.87 234.29,176.87 235.37,177.95 237.6,177.95 237.68,178.03 SITE3.171
  L03_SIGNAL w0.071: D129.07 99.59,94.51 99.59,91.33 95.25,86.99 81.17,86.99 76.46,91.7 76.46,170.34 90.94,184.81 107.06,184.81 109.04,182.84 165.32,182.84 166.8,184.31 202.04,184.31 210.69,175.66 211.81,175.66 v1(212.28,176.13)
  L28_SIGNAL w0.071: v1(225.39,177.32) 224.92,176.85 223.72,176.85 222.6,177.97 220.65,177.97 219.9,178.71 219.9,180.2 218.74,181.36 216.88,181.36 215.58,182.66 215.58,194.78 211.19,199.17 171.01,199.17 169.47,197.63 169.47,185.92 171.16,184.23 210.53,184.23 215.04,179.71 215.04,176.52 214.17,175.66 212.75,175.66 v1(212.28,176.13)
D12908: length 413.5
  TOP w0.086: SITE3.173 237.68,177.23 237.6,177.15 236,177.15 233.94,175.08 228.85,175.08 v1(228.4,175.54)
  L03_SIGNAL w0.071: v1(181.67,162.67) 182.15,162.2 182.64,162.2 182.91,162.47 182.91,164.26 182.23,164.94 112.82,164.94 101.19,153.31 101.19,101.06 101.69,100.57 102.63,100.57 D129.08
  L28_SIGNAL w0.071: v1(181.67,162.67) 182.15,162.2 183.21,162.2 185.4,164.38 185.4,164.98 184.92,165.46 118.8,165.46 117.81,166.45 117.81,205.21 119.08,206.48 222.5,206.48 226,202.97 226,191.48 228.19,189.29 228.19,181.73 229.55,180.37 229.55,177.47 229,176.92 227.42,176.92 227.01,176.5 227.01,175.44 227.38,175.06 227.93,175.06 v1(228.4,175.54)
D12909: length 457
  TOP w0.086: v1(245.68,156.6) 245.23,157.05 245.23,162.4 246.55,163.72 246.55,171.4 246.63,171.48 SITE3.12
  L03_SIGNAL w0.071: D129.09 108.77,94.43 108.77,91.4 110.78,89.39 128.28,89.39 132.5,93.61 132.5,138.32 145.35,151.16 177.68,151.16 180.57,148.28 181.2,148.28 v1(181.67,147.81)
  L28_SIGNAL w0.071: v1(245.68,156.6) 245.21,156.12 245.21,154.2 244.66,153.66 243.67,153.66 243.01,154.32 243.01,158.93 243.96,159.88 259.47,159.88 260.53,160.94 260.53,166.49 262.91,168.88 262.91,185.98 264.42,187.49 264.42,202.43 263.68,203.17 240.02,203.17 239.1,202.25 239.1,163.6 235.47,159.98 232.06,159.98 229.77,157.69 153.2,157.69 152.72,157.21 152.72,156.16 153.24,155.64 199.73,155.64 200.04,155.95 203.96,155.95 204.88,155.03 204.88,152.31 204.1,151.52 186.79,151.52 183.55,148.28 182.15,148.28 v1(181.67,147.81)
D12910: length 413.5
  TOP w0.086: v1(228.51,169.79) 228.97,170.25 233.52,170.25 234.03,170.76 242.13,170.76 242.55,171.18 242.55,171.4 242.63,171.48 SITE3.2
  L03_SIGNAL w0.071: v1(195.26,161.52) 195.73,162 196.76,162 197.58,161.18 197.58,159.85 196.59,158.86 109.9,158.86 103.53,152.49 103.53,107.92 104.22,107.22 105.34,107.22 105.93,107.81 105.93,152.88 106.62,153.56 107.39,153.56 107.9,153.05 107.9,109.18 108.83,108.25 110.39,108.25 111.06,108.91 111.06,157.01 111.56,157.51 112.86,157.51 113.23,157.14 113.23,107.96 111.59,106.32 111.59,101.43 D129.10
  L28_SIGNAL w0.071: v1(195.26,161.52) 195.73,162 196.56,162 197.16,162.6 197.16,163.97 198.72,165.53 204.61,165.53 210.2,159.94 214.99,159.94 225.32,170.26 228.04,170.26 v1(228.51,169.79)
D12911: length 457
  TOP w0.086: v1(244.54,156.6) 244.99,157.05 244.99,162.5 246.31,163.82 246.31,171.4 246.23,171.48 SITE3.11
  L03_SIGNAL w0.071: v1(181.67,148.95) 181.2,148.48 180.65,148.48 177.76,151.36 145.27,151.36 132.31,138.4 132.31,93.69 128.2,89.59 110.86,89.59 108.96,91.49 108.96,94.36 109.31,94.71 109.95,94.71 D129.11
  L28_SIGNAL w0.071: v1(244.54,156.6) 245.01,156.12 245.01,154.29 244.58,153.85 243.75,153.85 243.21,154.4 243.21,158.85 244.04,159.68 259.55,159.68 260.72,160.86 260.72,166.41 263.11,168.8 263.11,185.9 264.62,187.41 264.62,202.51 263.76,203.37 239.94,203.37 238.9,202.33 238.9,163.68 235.39,160.17 231.97,160.17 229.69,157.89 153.12,157.89 152.52,157.29 152.52,156.08 153.16,155.44 199.81,155.44 200.13,155.76 203.88,155.76 204.68,154.95 204.68,152.39 204.02,151.72 186.71,151.72 183.47,148.48 182.15,148.48 v1(181.67,148.95)
D12912: length 413.5
  TOP w0.086: SITE3.1 242.23,171.48 242.31,171.4 242.31,171.28 242.03,171 233.93,171 233.42,170.49 228.95,170.49 v1(228.51,170.93)
  L03_SIGNAL w0.071: v1(195.26,162.67) 195.73,162.2 196.84,162.2 197.78,161.26 197.78,159.77 196.67,158.66 109.98,158.66 103.72,152.41 103.72,108 104.31,107.42 105.26,107.42 105.73,107.89 105.73,152.96 106.53,153.76 107.47,153.76 108.1,153.13 108.1,109.26 108.91,108.45 110.31,108.45 110.86,109 110.86,157.09 111.48,157.71 112.94,157.71 113.43,157.22 113.43,107.88 111.78,106.23 111.78,101.58 D129.12
  L28_SIGNAL w0.071: v1(228.51,170.93) 228.04,170.46 225.24,170.46 214.91,160.13 210.28,160.13 204.69,165.72 198.63,165.72 196.96,164.05 196.96,162.69 196.47,162.2 195.73,162.2 v1(195.26,162.67)
D12913: length 457
  TOP w0.086: SITE3.8 245.03,171.48 244.95,171.4 244.95,165.37 239.21,159.63 v1(239.21,158.99)
  L03_SIGNAL w0.071: v1(198.69,148.06) 198.22,148.53 197.78,148.53 192.7,153.62 140.27,153.62 129.64,142.99 129.64,93.96 126.98,91.3 119.86,91.3 117.99,93.17 117.99,95.37 D129.13
  L28_SIGNAL w0.071: v1(198.69,148.06) 199.16,148.53 200.53,148.53 201.36,147.7 205.59,147.7 214.52,156.63 230.23,156.63 232.97,159.37 235.43,159.37 237.41,157.4 239.24,157.4 240.12,158.29 240.12,162.24 242.39,164.5 242.39,174.1 242.46,174.18 246.57,174.18 247.35,174.96 247.35,183.3 246.8,183.85 244.59,183.85 244.31,184.14 244.31,185.16 244.61,185.46 255.69,185.46 256.86,186.63 256.86,188.71 255.71,189.87 242.9,189.87 242.47,190.3 242.47,190.71 243.04,191.28 262.58,191.28 263.25,191.96 263.25,193.09 262.59,193.75 242.39,193.75 241.83,194.31 241.83,195.44 242.79,196.39 262.66,196.39 263.34,197.07 263.34,198.22 262.87,198.69 241.89,198.69 241.33,199.25 241.33,200.05 241.91,200.62 262.61,200.62 263,201.01 263,201.92 262.54,202.37 241.6,202.37 240.22,200.99 240.22,164.1 236.69,160.57 236.69,159.2 237.32,158.56 238.11,158.56 238.54,158.99 v1(239.21,158.99)
D12914: length 413.5
  TOP w0.086: SITE3.168 237.68,179.23 237.6,179.31 233.34,179.31 232.15,180.5 225.84,180.5 v1(225.36,180.02)
  L03_SIGNAL w0.071: D129.14 120.95,100.63 121.22,100.63 122.02,101.43 122.02,145.08 134.32,157.38 210.59,157.38 213.97,160.77 213.97,161.56 213.53,162 212.75,162 v1(212.28,161.52)
  L28_SIGNAL w0.071: v1(225.36,180.02) 224.89,180.49 224.15,180.49 222.75,181.89 222.75,194.18 212.49,204.44 128.24,204.44 122.17,198.36 122.17,170.69 123.38,169.47 128.92,169.47 130.66,167.73 212.18,167.73 214.18,165.74 214.18,162.66 213.52,162 212.75,162 v1(212.28,161.52)
D12915: length 457
  TOP w0.086: v1(238.4,159.8) 239.04,159.8 244.71,165.47 244.71,171.4 244.63,171.48 SITE3.7
  L03_SIGNAL w0.071: v1(198.69,149.21) 198.22,148.73 197.86,148.73 192.78,153.81 140.18,153.81 129.44,143.07 129.44,94.04 126.9,91.5 119.94,91.5 118.19,93.25 118.19,94.37 119.25,95.43 120.83,95.43 D129.15
  L28_SIGNAL w0.071: v1(198.69,149.21) 199.16,148.73 200.61,148.73 201.45,147.9 205.51,147.9 214.44,156.83 230.15,156.83 232.89,159.57 235.51,159.57 237.49,157.6 239.15,157.6 239.93,158.37 239.93,162.32 242.19,164.59 242.19,174.19 242.38,174.37 246.48,174.37 247.16,175.05 247.16,183.22 246.72,183.65 244.51,183.65 244.11,184.05 244.11,185.24 244.53,185.66 255.61,185.66 256.67,186.71 256.67,188.63 255.63,189.67 242.82,189.67 242.27,190.22 242.27,190.8 242.95,191.48 262.49,191.48 263.06,192.04 263.06,193.01 262.51,193.56 242.3,193.56 241.64,194.22 241.64,195.52 242.71,196.59 262.58,196.59 263.14,197.15 263.14,198.14 262.79,198.49 241.81,198.49 241.14,199.16 241.14,200.13 241.83,200.82 262.53,200.82 262.8,201.09 262.8,201.84 262.46,202.17 241.68,202.17 240.42,200.91 240.42,164.02 236.89,160.49 236.89,159.28 237.41,158.76 238.03,158.76 238.4,159.13 v1(238.4,159.8)
D12916: length 413.5
  TOP w0.086: v1(225.36,181.16) 225.78,180.74 232.25,180.74 233.44,179.55 237.6,179.55 237.68,179.63 SITE3.167
  L03_SIGNAL w0.071: D129.16 122.22,101.3 122.22,145 134.4,157.19 210.67,157.19 214.17,160.68 214.17,161.64 213.61,162.2 212.75,162.2 v1(212.28,162.67)
  L28_SIGNAL w0.071: v1(225.36,181.16) 224.89,180.69 224.23,180.69 222.95,181.97 222.95,194.26 212.57,204.64 128.16,204.64 121.97,198.45 121.97,170.6 123.3,169.27 128.84,169.27 130.58,167.54 212.1,167.54 213.98,165.65 213.98,162.74 213.44,162.2 212.75,162.2 v1(212.28,162.67)
D13009: length 457
  TOP w0.086: v1(250.13,156.61) 249.68,157.05 249.68,161.65 248.15,163.18 248.15,171.4 248.23,171.48 SITE3.16
  L03_SIGNAL w0.071: v1(164.91,134.6) 164.44,135.07 148.78,135.07 143.26,129.55 143.26,77.87 132.85,67.46 110.87,67.46 108.85,69.49 108.85,74.03 D130.09
  L28_SIGNAL w0.071: v1(250.13,156.61) 249.66,156.13 249.66,151.5 250.96,150.21 250.96,148.14 249.66,146.84 249.66,144.13 243.83,138.3 243.83,128.76 248.29,124.29 251.81,124.29 253.06,123.04 253.06,118.69 251.66,117.28 175.62,117.28 174.99,116.65 174.99,114.89 175.87,114.01 252.56,114.01 253.42,113.15 253.42,112.06 252.61,111.25 174.58,111.25 169.97,115.86 169.97,131.74 166.64,135.07 165.38,135.07 v1(164.91,134.6)
D13010: length 457
  TOP w0.086: v1(238.42,154.92) 238.42,155.56 243.1,160.24 243.1,161.66 245.75,164.32 245.75,171.4 245.83,171.48 SITE3.10
  L03_SIGNAL w0.071: D130.10 111.61,81.13 111.61,86.27 113.54,88.2 130.09,88.2 135.56,93.67 135.56,135.08 144.95,144.47 195.01,144.47 196.72,146.18 196.72,147.61 196.05,148.28 195.73,148.28 v1(195.26,147.81)
  L28_SIGNAL w0.071: v1(195.26,147.81) 195.73,148.28 196.56,148.28 196.9,147.94 196.9,145.87 197.42,145.35 209.55,145.35 210.49,144.42 210.49,143.17 209.75,142.43 142.02,142.43 140.83,141.24 140.83,139.08 141.81,138.09 202.4,138.09 205.8,134.69 230.56,134.69 231.94,136.08 237.07,136.08 239.52,138.53 239.52,139.64 238.61,140.55 228.99,140.55 228.04,141.5 228.04,142.84 228.86,143.66 238.08,143.66 238.7,144.28 238.7,145.41 237.83,146.28 228.45,146.28 228.2,146.54 228.2,147.13 228.61,147.54 244.77,147.54 245.32,148.09 245.32,148.63 244.66,149.29 233.75,149.29 233.32,148.85 228.21,148.85 227.49,149.57 227.49,150.9 227.97,151.37 239.5,151.37 239.87,151.74 239.87,152.35 239.38,152.84 237.96,152.84 237.09,153.71 237.09,154.26 237.75,154.92 v1(238.42,154.92)
D13011: length 457
  TOP w0.086: SITE3.15 247.83,171.48 247.91,171.4 247.91,163.08 249.45,161.55 249.45,157.06 v1(248.99,156.61)
  L03_SIGNAL w0.071: v1(164.91,135.74) 164.44,135.27 148.7,135.27 143.06,129.63 143.06,77.96 132.77,67.66 110.95,67.66 109.05,69.57 109.05,74.25 109.79,75 110.56,75 D130.11
  L28_SIGNAL w0.071: v1(164.91,135.74) 165.38,135.27 166.73,135.27 170.17,131.82 170.17,115.94 174.66,111.45 252.53,111.45 253.22,112.14 253.22,113.07 252.47,113.81 175.79,113.81 174.79,114.8 174.79,116.73 175.54,117.48 251.57,117.48 252.87,118.77 252.87,122.96 251.73,124.1 248.21,124.1 243.63,128.68 243.63,138.38 249.46,144.22 249.46,146.92 250.76,148.22 250.76,150.12 249.46,151.42 249.46,156.13 v1(248.99,156.61)
D13012: length 457
  TOP w0.086: SITE3.9 245.43,171.48 245.51,171.4 245.51,164.41 242.86,161.76 242.86,160.34 238.25,155.73 v1(237.61,155.73)
  L03_SIGNAL w0.071: v1(195.26,148.95) 195.73,148.48 196.13,148.48 196.92,147.69 196.92,146.1 195.1,144.27 145.04,144.27 135.76,134.99 135.76,93.59 130.17,88 113.62,88 111.8,86.18 111.8,81.24 D130.12
  L28_SIGNAL w0.071: v1(237.61,155.73) 237.61,155.06 236.89,154.34 236.89,153.63 237.88,152.64 239.3,152.64 239.67,152.27 239.67,151.82 239.42,151.57 227.88,151.57 227.3,150.98 227.3,149.49 228.13,148.66 233.4,148.66 233.83,149.09 244.58,149.09 245.12,148.55 245.12,148.18 244.68,147.74 228.53,147.74 228,147.21 228,146.45 228.37,146.08 237.74,146.08 238.5,145.33 238.5,144.37 238,143.86 228.78,143.86 227.84,142.93 227.84,141.42 228.91,140.35 238.53,140.35 239.32,139.56 239.32,138.61 236.99,136.28 231.86,136.28 230.48,134.89 205.88,134.89 202.48,138.29 141.89,138.29 141.03,139.16 141.03,141.15 142.1,142.23 209.83,142.23 210.68,143.08 210.68,144.5 209.64,145.55 197.5,145.55 197.1,145.95 197.1,148.02 196.64,148.48 195.73,148.48 v1(195.26,148.95)
D13013: length 457
  TOP w0.086: SITE3.14 247.43,171.48 247.35,171.4 247.35,159 v1(247.8,158.55)
  L03_SIGNAL w0.071: v1(178.5,134.6) 178.03,135.07 176.57,135.07 171.01,140.63 150.58,140.63 140.53,130.59 140.53,81.26 128.8,69.52 120.69,69.52 118.93,71.28 118.93,74.11 D130.13
  L28_SIGNAL w0.071: v1(178.5,134.6) 178.97,135.07 198.26,135.07 199.22,134.12 199.22,130.93 198.21,129.92 172.89,129.92 171.98,129.01 171.98,127.89 173.18,126.69 194.18,126.69 195.17,125.7 238.68,125.7 239.61,124.77 239.61,123.78 238.94,123.11 173.76,123.11 172.98,122.33 172.98,121.1 173.8,120.28 248.69,120.28 249.36,120.95 249.36,122.51 248.86,123.01 245.56,123.01 241.38,127.18 241.38,139.2 248.24,146.06 248.24,151.68 247.33,152.59 247.33,158.07 v1(247.8,158.55)
